# Altium PCB DL-5新款球锁 - 拼板-20201231.PcbDoc (part 8 of 9)
Units mm, origin at the board's own origin, x right, y up, seen from the top; angles counter-clockwise.
Board outline 55.99 x 50 mm, 4 copper layers (Top Layer, POWER, GND, Bottom Layer); 388 components, 70 nets, 1224 pads, 536 vias.
Unrouted connection lines stored in the file: 276.
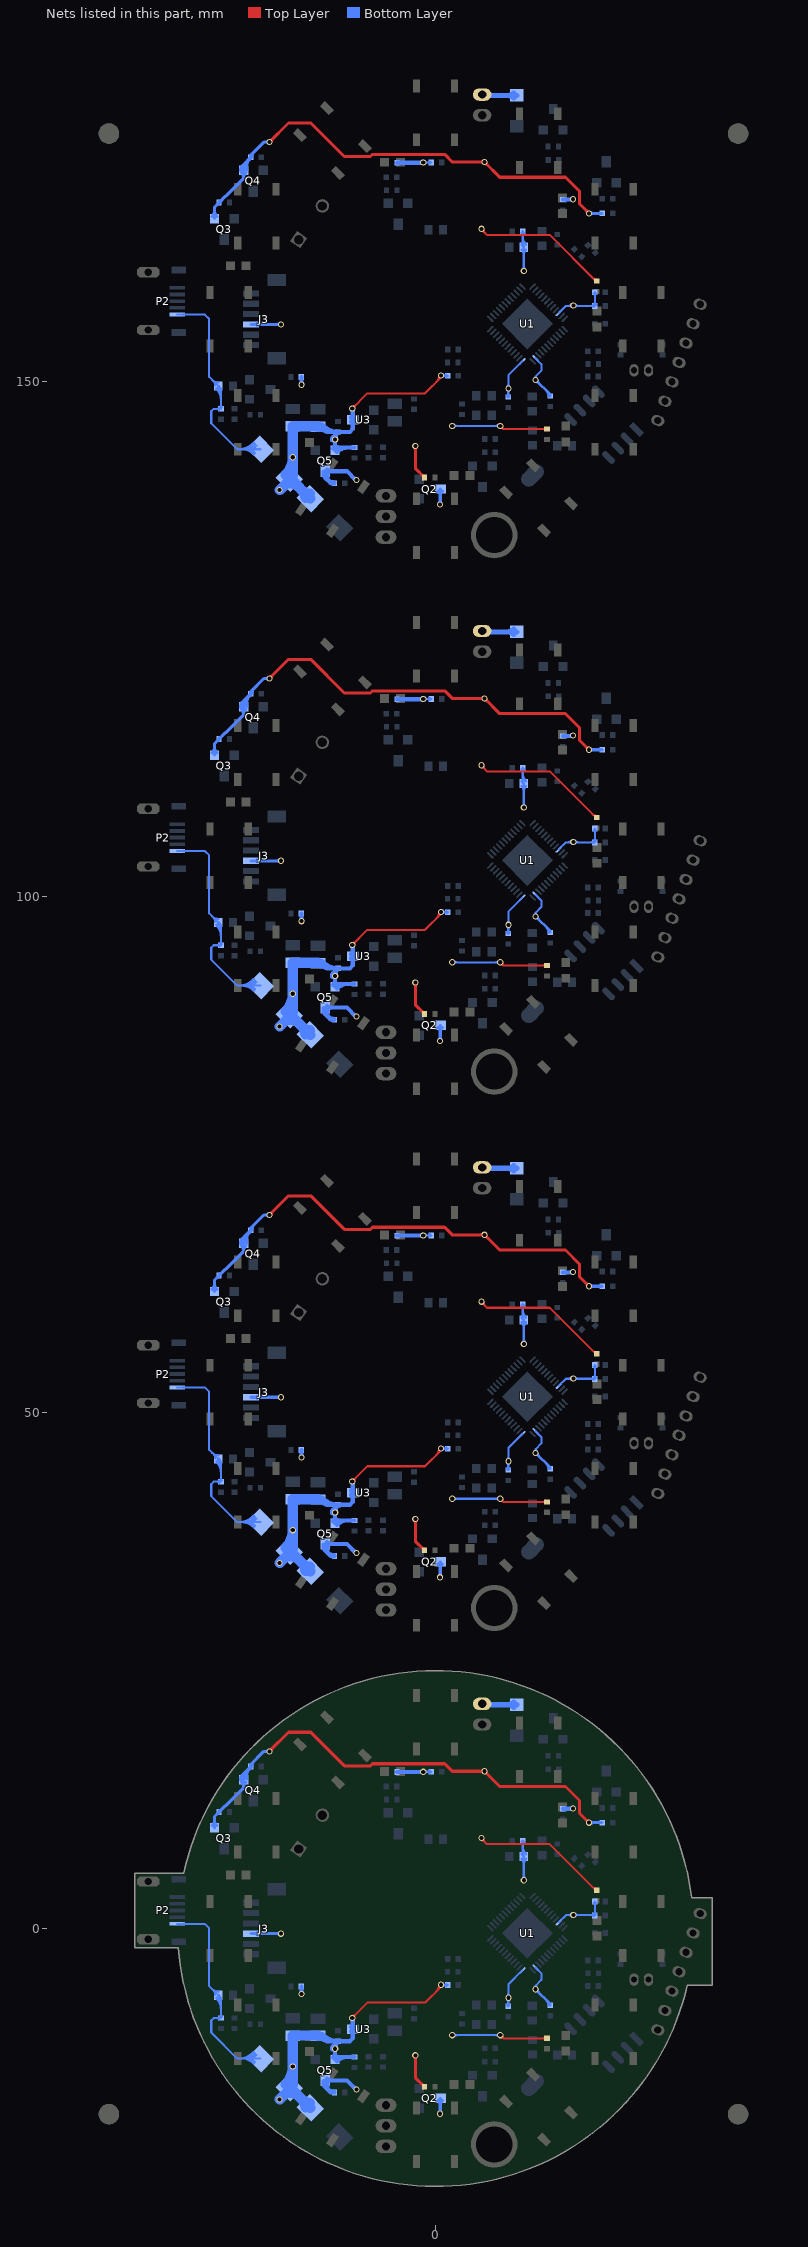
[diagram p10: the nets of this part, all layers, seen from the top]

## Via types
v1: diameter 0.6, hole 0.4, Top Layer to Bottom Layer, 440 vias
v2: diameter 0.6, hole 0.4, Top Layer to Bottom Layer, tented both sides, 48 vias
v3: diameter 0.61, hole 0.406, Top Layer to Bottom Layer, 24 vias
v4: diameter 0.61, hole 0.4, Top Layer to Bottom Layer, 16 vias
v5: diameter 0.61, hole 0.406, Top Layer to Bottom Layer, tented both sides, 8 vias

## Nets (pads, with @x,y where several pads share a name; then routed paths per layer and width w, separated by ;. In a path a pad name is that pad's centre, name@x,y a point inside that pad or via, vN(x,y) a via of type N, cw(c..) or ccw(c..) an arc to the next point about the centre after c; other vN are vias at no path point) (continued)
V6V: D3.2 J3.3 P1.2 Q5.D R12.1 R13.1 R14.1 R15.1 R16.1 R17.1 R20.1 R47.2 | length 233.4
  Top Layer w0.2: v1@4.441,8.563 cw(c4.441,8.208) 4.692,8.459 ; v1(4.441,8.763) 4.441,8.71 4.974,8.177 11.051,8.177 15.519,3.708 R13.1@15.617,3.708 ; v1@4.441,60.563 cw(c4.441,60.208) 4.692,60.459 ; v1(4.441,60.763) 4.441,60.71 4.974,60.177 11.051,60.177 15.519,55.708 R13.1@15.617,55.708 ; v1@4.441,112.563 cw(c4.441,112.208) 4.692,112.459 ; v1(4.441,112.763) 4.441,112.71 4.974,112.177 11.051,112.177 15.519,107.708 R13.1@15.617,107.708 ; v1@4.441,164.563 cw(c4.441,164.208) 4.692,164.459 ; v1(4.441,164.763) 4.441,164.71 4.974,164.177 11.051,164.177 15.519,159.708 R13.1@15.617,159.708 ; v1@4.641,8.763 ccw(c5.251,8.763) 4.819,8.331 ; v1@4.641,60.763 ccw(c5.251,60.763) 4.819,60.331 ; v1@4.641,112.763 ccw(c5.251,112.763) 4.819,112.331 ; v1@4.641,164.763 ccw(c5.251,164.763) 4.819,164.331 ; v1(6.269,-10.338) 6.574,-10.643 ; v1(6.269,41.662) 6.574,41.357 ; v1(6.269,93.662) 6.574,93.357 ; v1(6.269,145.662) 6.574,145.357 ; v1@6.286,-10.537 cw(c6.317,-10.9) 6.574,-10.643 ; v1@6.286,41.463 cw(c6.317,41.1) 6.574,41.357 ; v1@6.286,93.463 cw(c6.317,93.1) 6.574,93.357 ; v1@6.286,145.463 cw(c6.317,145.1) 6.574,145.357 ; v1@6.469,-10.354 ccw(c6.832,-10.385) 6.574,-10.643 ; v1@6.469,41.646 ccw(c6.832,41.615) 6.574,41.357 ; v1@6.469,93.646 ccw(c6.832,93.615) 6.574,93.357 ; v1@6.469,145.646 ccw(c6.832,145.615) 6.574,145.357 ; R14.1@10.656,-10.751 ccw(c10.393,-11.014) 10.393,-10.643 ccw(c10.393,-10.271) R14.1@10.656,-10.534 ; R14.1@10.656,41.249 ccw(c10.393,40.986) 10.393,41.357 ccw(c10.393,41.729) R14.1@10.656,41.466 ; R14.1@10.656,93.248 ccw(c10.393,92.986) 10.393,93.357 ccw(c10.393,93.729) R14.1@10.656,93.466 ; R14.1@10.656,145.249 ccw(c10.393,144.986) 10.393,145.357 ccw(c10.393,145.729) R14.1@10.656,145.466 ; R14.1@10.791,-10.643 6.574,-10.643 ; R14.1@10.791,41.357 6.574,41.357 ; R14.1@10.791,93.357 6.574,93.357 ; R14.1@10.791,145.357 6.574,145.357 ; 15.205,4.022 ccw(c15.591,4.408) R13.1@15.591,3.862 ; 15.205,56.022 ccw(c15.591,56.408) R13.1@15.591,55.862 ; 15.205,108.022 ccw(c15.591,108.408) R13.1@15.591,107.862 ; 15.205,160.022 ccw(c15.591,160.408) R13.1@15.591,159.862
  Top Layer w0.3: v2@-2.066,-12.4 cw(c-2.322,-12.656) -1.96,-12.656 cw(c-1.598,-12.656) v2@-1.854,-12.4 ; v2@-2.066,39.6 cw(c-2.322,39.344) -1.96,39.344 cw(c-1.598,39.344) v2@-1.854,39.6 ; v2@-2.066,91.6 cw(c-2.322,91.344) -1.96,91.344 cw(c-1.598,91.344) v2@-1.854,91.6 ; v2@-2.066,143.6 cw(c-2.322,143.344) -1.96,143.344 cw(c-1.598,143.344) v2@-1.854,143.6 ; v2(-1.96,-12.294) -1.96,-14.453 R20.1@-1.071,-15.342 ; v2(-1.96,39.706) -1.96,37.547 R20.1@-1.071,36.658 ; v2(-1.96,91.706) -1.96,89.547 R20.1@-1.071,88.658 ; v2(-1.96,143.706) -1.96,141.547 R20.1@-1.071,140.658 ; R20.1@-1.292,-15.121 ccw(c-1.071,-14.9) R20.1@-1.071,-15.212 ; R20.1@-1.292,36.879 ccw(c-1.071,37.1) R20.1@-1.071,36.788 ; R20.1@-1.292,88.879 ccw(c-1.071,89.1) R20.1@-1.071,88.788 ; R20.1@-1.292,140.879 ccw(c-1.071,141.1) R20.1@-1.071,140.788
  Bottom Layer w0.2: v1(-1.198,15.189) R47.2@-0.411,15.189 ; v1(-1.198,67.189) R47.2@-0.411,67.189 ; v1(-1.198,119.189) R47.2@-0.411,119.189 ; v1(-1.198,171.189) R47.2@-0.411,171.189 ; v1@-1.057,15.048 cw(c-0.715,14.706) -0.715,15.189 cw(c-0.715,15.672) v1@-1.057,15.331 ; v1@-1.057,67.048 cw(c-0.715,66.706) -0.715,67.189 cw(c-0.715,67.672) v1@-1.057,67.331 ; v1@-1.057,119.048 cw(c-0.715,118.706) -0.715,119.189 cw(c-0.715,119.672) v1@-1.057,119.331 ; v1@-1.057,171.048 cw(c-0.715,170.706) -0.715,171.189 cw(c-0.715,171.672) v1@-1.057,171.331 ; R47.2@-0.52,15.08 ccw(c-0.783,14.817) -0.783,15.189 ccw(c-0.783,15.561) R47.2@-0.52,15.298 ; R47.2@-0.52,67.08 ccw(c-0.783,66.817) -0.783,67.189 ccw(c-0.783,67.561) R47.2@-0.52,67.298 ; R47.2@-0.52,119.08 ccw(c-0.783,118.817) -0.783,119.189 ccw(c-0.783,119.561) R47.2@-0.52,119.298 ; R47.2@-0.52,171.08 ccw(c-0.783,170.817) -0.783,171.189 ccw(c-0.783,171.561) R47.2@-0.52,171.298 ; v1(1.621,-10.338) v1(6.269,-10.338) ; v1(1.621,41.662) v1(6.269,41.662) ; v1(1.621,93.662) v1(6.269,93.662) ; v1(1.621,145.662) v1(6.269,145.662) ; v1@1.763,-10.479 cw(c2.104,-10.821) 2.104,-10.338 cw(c2.104,-9.855) v1@1.763,-10.196 ; v1@1.763,41.521 cw(c2.104,41.179) 2.104,41.662 cw(c2.104,42.145) v1@1.763,41.804 ; v1@1.763,93.521 cw(c2.104,93.179) 2.104,93.662 cw(c2.104,94.145) v1@1.763,93.804 ; v1@1.763,145.521 cw(c2.104,145.179) 2.104,145.662 cw(c2.104,146.145) v1@1.763,145.804 ; v1@6.128,-10.479 ccw(c5.787,-10.821) 5.787,-10.338 ccw(c5.787,-9.855) v1@6.128,-10.196 ; v1@6.128,41.521 ccw(c5.787,41.179) 5.787,41.662 ccw(c5.787,42.145) v1@6.128,41.804 ; v1@6.128,93.521 ccw(c5.787,93.179) 5.787,93.662 ccw(c5.787,94.145) v1@6.128,93.804 ; v1@6.128,145.521 ccw(c5.787,145.179) 5.787,145.662 ccw(c5.787,146.145) v1@6.128,145.804
  Bottom Layer w0.3: J3.3@-17.904,-0.5 v2(-14.982,-0.5) ; J3.3@-17.904,51.5 v2(-14.982,51.5) ; J3.3@-17.904,103.5 v2(-14.982,103.5) ; J3.3@-17.904,155.5 v2(-14.982,155.5) ; J3.3@-17.323,-0.606 cw(c-17.067,-0.862) -17.067,-0.5 cw(c-17.067,-0.138) J3.3@-17.323,-0.394 ; J3.3@-17.323,51.394 cw(c-17.067,51.138) -17.067,51.5 cw(c-17.067,51.862) J3.3@-17.323,51.606 ; J3.3@-17.323,103.394 cw(c-17.067,103.138) -17.067,103.5 cw(c-17.067,103.862) J3.3@-17.323,103.606 ; J3.3@-17.323,155.394 cw(c-17.067,155.138) -17.067,155.5 cw(c-17.067,155.862) J3.3@-17.323,155.606 ; v2@-15.088,-0.606 ccw(c-15.344,-0.862) -15.344,-0.5 ccw(c-15.344,-0.138) v2@-15.088,-0.394 ; v2@-15.088,51.394 ccw(c-15.344,51.138) -15.344,51.5 ccw(c-15.344,51.862) v2@-15.088,51.606 ; v2@-15.088,103.394 ccw(c-15.344,103.138) -15.344,103.5 ccw(c-15.344,103.862) v2@-15.088,103.606 ; v2@-15.088,155.394 ccw(c-15.344,155.138) -15.344,155.5 ccw(c-15.344,155.862) v2@-15.088,155.606
  Bottom Layer w0.4: -13.009,-6.047 ccw(c-12.681,-6.047) v1@-12.913,-6.279 ; R16.1@-13.009,-5.613 -13.009,-6.325 v1(-12.984,-6.35) ; -13.009,45.953 ccw(c-12.681,45.953) v1@-12.913,45.721 ; R16.1@-13.009,46.387 -13.009,45.675 v1(-12.984,45.65) ; -13.009,97.953 ccw(c-12.681,97.953) v1@-12.913,97.721 ; R16.1@-13.009,98.387 -13.009,97.675 v1(-12.984,97.65) ; -13.009,149.953 ccw(c-12.681,149.953) v1@-12.913,149.721 ; R16.1@-13.009,150.387 -13.009,149.675 v1(-12.984,149.65) ; Q5.D@-10.86,-15.024 cw(c-11.141,-15.367) -10.698,-15.367 ; Q5.D@-10.86,36.976 cw(c-11.141,36.633) -10.698,36.633 ; Q5.D@-10.86,88.976 cw(c-11.141,88.633) -10.698,88.633 ; Q5.D@-10.86,140.976 cw(c-11.141,140.633) -10.698,140.633 ; Q5.D@-10.833,-14.779 ccw(c-10.289,-14.964) -10.695,-15.369 ; Q5.D@-10.833,37.221 ccw(c-10.289,37.036) -10.695,36.631 ; Q5.D@-10.833,89.221 ccw(c-10.289,89.036) -10.695,88.631 ; Q5.D@-10.833,141.221 ccw(c-10.289,141.036) -10.695,140.631 ; -10.551,-15.513 ccw(c-9.809,-14.771) R15.1@-9.809,-15.821 ; -10.551,36.487 ccw(c-9.809,37.229) R15.1@-9.809,36.179 ; -10.551,88.487 ccw(c-9.809,89.229) R15.1@-9.809,88.179 ; -10.551,140.487 ccw(c-9.809,141.229) R15.1@-9.809,140.179 ; Q5.D@-10.535,-15.024 ccw(c-10.255,-15.367) -10.698,-15.367 ; Q5.D@-10.535,36.976 ccw(c-10.255,36.633) -10.698,36.633 ; Q5.D@-10.535,88.976 ccw(c-10.255,88.633) -10.698,88.633 ; Q5.D@-10.535,140.976 ccw(c-10.255,140.633) -10.698,140.633 ; Q5.D@-10.516,-14.914 cw(c-10.077,-15.353) -10.077,-14.732 cw(c-10.077,-14.111) Q5.D@-10.516,-14.55 ; Q5.D@-10.516,37.086 cw(c-10.077,36.647) -10.077,37.268 cw(c-10.077,37.889) Q5.D@-10.516,37.45 ; Q5.D@-10.516,89.086 cw(c-10.077,88.647) -10.077,89.268 cw(c-10.077,89.889) Q5.D@-10.516,89.45 ; Q5.D@-10.516,141.086 cw(c-10.077,140.647) -10.077,141.268 cw(c-10.077,141.889) Q5.D@-10.516,141.45 ; Q5.D@-10.454,-14.908 ccw(c-9.61,-15.194) -10.241,-15.824 ; Q5.D@-10.454,37.092 ccw(c-9.61,36.806) -10.241,36.176 ; Q5.D@-10.454,89.092 ccw(c-9.61,88.806) -10.241,88.176 ; Q5.D@-10.454,141.092 ccw(c-9.61,140.806) -10.241,140.176 ; R15.1@-10.062,-15.824 cw(c-10.062,-16.128) R15.1@-9.847,-15.913 ; R15.1@-10.062,36.176 cw(c-10.062,35.872) R15.1@-9.847,36.087 ; R15.1@-10.062,88.176 cw(c-10.062,87.872) R15.1@-9.847,88.087 ; R15.1@-10.062,140.176 cw(c-10.062,139.872) R15.1@-9.847,140.087 ; R15.1@-9.845,-15.835 cw(c-10.037,-15.621) -10.241,-15.824 ; R15.1@-9.845,36.165 cw(c-10.037,36.379) -10.241,36.176 ; R15.1@-9.845,88.165 cw(c-10.037,88.379) -10.241,88.176 ; R15.1@-9.845,140.165 cw(c-10.037,140.379) -10.241,140.176 ; R15.1@-9.809,-15.9 -9.885,-15.824 -10.241,-15.824 ; R15.1@-9.809,36.1 -9.885,36.176 -10.241,36.176 ; R15.1@-9.809,88.1 -9.885,88.176 -10.241,88.176 ; R15.1@-9.809,140.1 -9.885,140.176 -10.241,140.176 ; -7.933,-15.389 ccw(c-7.675,-15.132) v1@-7.675,-15.496 ; -7.933,36.611 ccw(c-7.675,36.868) v1@-7.675,36.504 ; -7.933,88.611 ccw(c-7.675,88.868) v1@-7.675,88.504 ; -7.933,140.611 ccw(c-7.675,140.868) v1@-7.675,140.504 ; v1@-7.701,-15.621 -8.59,-14.732 Q5.D@-10.698,-14.732 -10.698,-15.367 ; v1@-7.701,36.379 -8.59,37.268 Q5.D@-10.698,37.268 -10.698,36.633 ; v1@-7.701,88.379 -8.59,89.268 Q5.D@-10.698,89.268 -10.698,88.633 ; v1@-7.701,140.379 -8.59,141.268 Q5.D@-10.698,141.268 -10.698,140.633 ; R17.1@-3.738,15.164 -1.224,15.164 v1(-1.198,15.189) ; R17.1@-3.738,67.164 -1.224,67.164 v1(-1.198,67.189) ; R17.1@-3.738,119.164 -1.224,119.164 v1(-1.198,119.189) ; R17.1@-3.738,171.164 -1.224,171.164 v1(-1.198,171.189) ; -1.501,15.164 ccw(c-1.501,15.492) v1@-1.269,15.26 ; -1.501,67.164 ccw(c-1.501,67.492) v1@-1.269,67.26 ; -1.501,119.164 ccw(c-1.501,119.492) v1@-1.269,119.26 ; -1.501,171.164 ccw(c-1.501,171.492) v1@-1.269,171.26 ; R12.1@12.34,11.608 13.305,11.608 v1(13.331,11.633) ; R12.1@12.34,63.608 13.305,63.608 v1(13.331,63.633) ; R12.1@12.34,115.608 13.305,115.608 v1(13.331,115.633) ; R12.1@12.34,167.608 13.305,167.608 v1(13.331,167.633) ; 13.028,11.608 ccw(c13.028,11.936) v1@13.26,11.704 ; 13.028,63.608 ccw(c13.028,63.936) v1@13.26,63.704 ; 13.028,115.608 ccw(c13.028,115.936) v1@13.26,115.704 ; 13.028,167.608 ccw(c13.028,167.936) v1@13.26,167.704 ; -10.698,-15.367 -10.241,-15.824 ; -10.698,36.633 -10.241,36.176 ; -10.698,88.633 -10.241,88.176 ; -10.698,140.633 -10.241,140.176
  Bottom Layer w0.5: P1.2@4.517,21.777 4.601,21.693 D3.2@7.87,21.693 ; P1.2@4.517,73.777 4.601,73.693 D3.2@7.87,73.693 ; P1.2@4.517,125.777 4.601,125.693 D3.2@7.87,125.693 ; P1.2@4.517,177.777 4.601,177.693 D3.2@7.87,177.693 ; P1.2@4.764,21.53 cw(c5.159,21.135) 5.159,21.693 ; P1.2@4.764,22.025 ccw(c5.565,22.825) 5.565,21.693 ; P1.2@4.764,73.53 cw(c5.159,73.135) 5.159,73.693 ; P1.2@4.764,74.025 ccw(c5.565,74.825) 5.565,73.693 ; P1.2@4.764,125.53 cw(c5.159,125.135) 5.159,125.693 ; P1.2@4.764,126.025 ccw(c5.565,126.825) 5.565,125.693 ; P1.2@4.764,177.53 cw(c5.159,177.135) 5.159,177.693 ; P1.2@4.764,178.025 ccw(c5.565,178.825) 5.565,177.693 ; D3.2@7.572,21.446 ccw(c6.975,20.848) 6.975,21.693 ccw(c6.975,22.538) D3.2@7.572,21.94 ; D3.2@7.572,73.445 ccw(c6.975,72.848) 6.975,73.693 ccw(c6.975,74.538) D3.2@7.572,73.94 ; D3.2@7.572,125.445 ccw(c6.975,124.848) 6.975,125.693 ccw(c6.975,126.538) D3.2@7.572,125.94 ; D3.2@7.572,177.446 ccw(c6.975,176.848) 6.975,177.693 ccw(c6.975,178.538) D3.2@7.572,177.94
  other v1: -7.675,-15.596 -7.675,36.404 -7.675,88.404 -7.675,140.404
VBAT: C2.1 C3.1 C6.1 D1.2 D2.2 Q5.S R2.1 R19.1 U3.3 | length 203.7
  Top Layer w0.2: v1(-8.082,-8.661) -6.608,-7.188 -1.02,-7.188 0.535,-5.633 v1(0.535,-5.456) ; v1@-8.082,-8.461 ccw(c-8.082,-7.979) -7.74,-8.32 ccw(c-7.399,-8.661) v1@-7.882,-8.661 ; v1(-8.082,43.339) -6.608,44.812 -1.02,44.812 0.535,46.367 v1(0.535,46.544) ; v1@-8.082,43.539 ccw(c-8.082,44.021) -7.74,43.68 ccw(c-7.399,43.339) v1@-7.882,43.339 ; v1(-8.082,95.339) -6.608,96.812 -1.02,96.812 0.535,98.367 v1(0.535,98.544) ; v1@-8.082,95.539 ccw(c-8.082,96.021) -7.74,95.68 ccw(c-7.399,95.339) v1@-7.882,95.339 ; v1(-8.082,147.339) -6.608,148.812 -1.02,148.812 0.535,150.367 v1(0.535,150.544) ; v1@-8.082,147.539 ccw(c-8.082,148.021) -7.74,147.68 ccw(c-7.399,147.339) v1@-7.882,147.339 ; 0.067,-6.1 ccw(c-0.578,-5.456) v1@0.335,-5.456 ; 0.067,45.9 ccw(c-0.578,46.544) v1@0.335,46.544 ; 0.067,97.9 ccw(c-0.578,98.544) v1@0.335,98.544 ; 0.067,149.9 ccw(c-0.578,150.544) v1@0.335,150.544 ; 0.409,-5.759 ccw(c0.105,-5.456) v1(0.535,-5.456) ; 0.409,46.241 ccw(c0.105,46.544) v1(0.535,46.544) ; 0.409,98.241 ccw(c0.105,98.544) v1(0.535,98.544) ; 0.409,150.241 ccw(c0.105,150.544) v1(0.535,150.544) ; v1@0.553,-5.456 v1(0.535,-5.456) ; v1@0.553,46.544 v1(0.535,46.544) ; v1@0.553,98.544 v1(0.535,98.544) ; v1@0.553,150.544 v1(0.535,150.544)
  Bottom Layer w0.2: v1@0.553,-5.456 0.529,-5.479 0.529,-5.486 R19.1@1.19,-5.486 ; v1@0.553,46.544 0.529,46.521 0.529,46.514 R19.1@1.19,46.514 ; v1@0.553,98.544 0.529,98.521 0.529,98.514 R19.1@1.19,98.514 ; v1@0.553,150.544 0.529,150.521 0.529,150.514 R19.1@1.19,150.514 ; v1@0.676,-5.597 cw(c0.943,-5.864) R19.1@0.943,-5.486 ; v1@0.676,-5.314 ccw(c1.092,-4.898) R19.1@1.092,-5.486 ; v1@0.676,46.403 cw(c0.943,46.136) R19.1@0.943,46.514 ; v1@0.676,46.686 ccw(c1.092,47.102) R19.1@1.092,46.514 ; v1@0.676,98.403 cw(c0.943,98.136) R19.1@0.943,98.514 ; v1@0.676,98.686 ccw(c1.092,99.102) R19.1@1.092,98.514 ; v1@0.676,150.403 cw(c0.943,150.136) R19.1@0.943,150.514 ; v1@0.676,150.686 ccw(c1.092,151.102) R19.1@1.092,150.514 ; v1@0.683,-5.59 cw(c0.867,-5.756) 0.931,-5.517 ; v1@0.683,46.41 cw(c0.867,46.244) 0.931,46.483 ; v1@0.683,98.41 cw(c0.867,98.244) 0.931,98.483 ; v1@0.683,150.41 cw(c0.867,150.244) 0.931,150.483 ; v1@0.708,-5.356 ccw(c0.997,-5.188) 0.911,-5.511 ; v1@0.708,46.644 ccw(c0.997,46.812) 0.911,46.489 ; v1@0.708,98.644 ccw(c0.997,98.812) 0.911,98.489 ; v1@0.708,150.644 ccw(c0.997,150.812) 0.911,150.489 ; R19.1@1.081,-5.595 ccw(c0.818,-5.858) 0.818,-5.486 ccw(c0.818,-5.115) R19.1@1.081,-5.378 ; R19.1@1.081,46.405 ccw(c0.818,46.142) 0.818,46.514 ccw(c0.818,46.885) R19.1@1.081,46.622 ; R19.1@1.081,98.405 ccw(c0.818,98.142) 0.818,98.514 ccw(c0.818,98.885) R19.1@1.081,98.622 ; R19.1@1.081,150.405 ccw(c0.818,150.142) 0.818,150.514 ccw(c0.818,150.885) R19.1@1.081,150.622
  Bottom Layer w0.4: C2.1@-11.398,-10.412 -11.055,-10.412 -10.545,-10.922 ; C2.1@-11.398,41.588 -11.055,41.588 -10.545,41.078 ; C2.1@-11.398,93.588 -11.055,93.588 -10.545,93.078 ; C2.1@-11.398,145.588 -11.055,145.588 -10.545,145.078 ; C2.1@-11.265,-10.471 ccw(c-10.305,-9.674) -10.305,-10.922 ; C2.1@-11.265,41.529 ccw(c-10.305,42.326) -10.305,41.078 ; C2.1@-11.265,93.529 ccw(c-10.305,94.326) -10.305,93.078 ; C2.1@-11.265,145.529 ccw(c-10.305,146.326) -10.305,145.078 ; C2.1@-11.153,-10.718 cw(c-11.055,-11.431) -10.545,-10.922 ; C2.1@-11.153,41.282 cw(c-11.055,40.569) -10.545,41.078 ; C2.1@-11.153,93.282 cw(c-11.055,92.569) -10.545,93.078 ; C2.1@-11.153,145.282 cw(c-11.055,144.569) -10.545,145.078 ; C2.1@-10.957,-10.216 ccw(c-9.453,-8.967) C3.1@-9.453,-10.922 ; C2.1@-10.957,41.784 ccw(c-9.453,43.033) C3.1@-9.453,41.078 ; C2.1@-10.957,93.784 ccw(c-9.453,95.033) C3.1@-9.453,93.078 ; C2.1@-10.957,145.784 ccw(c-9.453,147.033) C3.1@-9.453,145.078 ; C2.1@-10.886,-10.412 ccw(c-10.48,-10.412) C2.1@-10.767,-10.7 ; C2.1@-10.886,41.588 ccw(c-10.48,41.588) C2.1@-10.767,41.3 ; C2.1@-10.886,93.588 ccw(c-10.48,93.588) C2.1@-10.767,93.3 ; C2.1@-10.886,145.588 ccw(c-10.48,145.588) C2.1@-10.767,145.3 ; -10.021,-11.741 cw(c-9.689,-11.646) -9.933,-11.402 ; -10.021,40.259 cw(c-9.689,40.354) -9.933,40.598 ; -10.021,92.259 cw(c-9.689,92.354) -9.933,92.598 ; -10.021,144.259 cw(c-9.689,144.354) -9.933,144.598 ; Q5.S@-9.93,-12.518 ccw(c-10.369,-12.079) -9.748,-12.079 ccw(c-9.127,-12.079) Q5.S@-9.566,-12.518 ; Q5.S@-9.93,39.482 ccw(c-10.369,39.921) -9.748,39.921 ccw(c-9.127,39.921) Q5.S@-9.566,39.482 ; Q5.S@-9.93,91.482 ccw(c-10.369,91.921) -9.748,91.921 ccw(c-9.127,91.921) Q5.S@-9.566,91.482 ; Q5.S@-9.93,143.482 ccw(c-10.369,143.921) -9.748,143.921 ccw(c-9.127,143.921) Q5.S@-9.566,143.482 ; v1@-9.748,-11.702 cw(c-8.698,-11.702) C3.1@-9.44,-10.96 ; -9.748,-11.321 cw(c-9.394,-11.321) C3.1@-9.467,-10.975 ; v1@-9.748,40.298 cw(c-8.698,40.298) C3.1@-9.44,41.04 ; -9.748,40.679 cw(c-9.394,40.679) C3.1@-9.467,41.025 ; v1@-9.748,92.298 cw(c-8.698,92.298) C3.1@-9.44,93.04 ; -9.748,92.679 cw(c-9.394,92.679) C3.1@-9.467,93.025 ; v1@-9.748,144.298 cw(c-8.698,144.298) C3.1@-9.44,145.04 ; -9.748,144.679 cw(c-9.394,144.679) C3.1@-9.467,145.025 ; v1@-9.636,-11.631 cw(c-8.943,-11.432) C3.1@-9.453,-10.922 ; v1@-9.636,40.369 cw(c-8.943,40.568) C3.1@-9.453,41.078 ; v1@-9.636,92.369 cw(c-8.943,92.568) C3.1@-9.453,93.078 ; v1@-9.636,144.369 cw(c-8.943,144.568) C3.1@-9.453,145.078 ; Q5.S@-9.566,-12.882 cw(c-8.514,-13.934) -8.514,-12.446 ; Q5.S@-9.566,39.118 cw(c-8.514,38.066) -8.514,39.554 ; Q5.S@-9.566,91.118 cw(c-8.514,90.066) -8.514,91.554 ; Q5.S@-9.566,143.118 cw(c-8.514,142.066) -8.514,143.554 ; U3.3@-8.213,-9.935 cw(c-8.652,-10.375) -8.031,-10.375 cw(c-7.41,-10.375) U3.3@-7.849,-9.935 ; U3.3@-8.213,-9.572 ccw(c-8.652,-9.133) -8.031,-9.133 ccw(c-7.41,-9.133) U3.3@-7.849,-9.572 ; U3.3@-8.213,42.065 cw(c-8.652,41.625) -8.031,41.625 cw(c-7.41,41.625) U3.3@-7.849,42.065 ; U3.3@-8.213,42.428 ccw(c-8.652,42.867) -8.031,42.867 ccw(c-7.41,42.867) U3.3@-7.849,42.428 ; U3.3@-8.213,94.065 cw(c-8.652,93.625) -8.031,93.625 cw(c-7.41,93.625) U3.3@-7.849,94.065 ; U3.3@-8.213,94.428 ccw(c-8.652,94.867) -8.031,94.867 ccw(c-7.41,94.867) U3.3@-7.849,94.428 ; U3.3@-8.213,146.065 cw(c-8.652,145.625) -8.031,145.625 cw(c-7.41,145.625) U3.3@-7.849,146.065 ; U3.3@-8.213,146.428 ccw(c-8.652,146.867) -8.031,146.867 ccw(c-7.41,146.867) U3.3@-7.849,146.428 ; v1@-8.152,-8.732 cw(c-8.446,-9.025) -8.031,-9.025 ; v1@-8.152,43.268 cw(c-8.446,42.975) -8.031,42.975 ; v1@-8.152,95.268 cw(c-8.446,94.975) -8.031,94.975 ; v1@-8.152,147.268 cw(c-8.446,146.975) -8.031,146.975 ; v1(-8.082,-8.661) -8.031,-8.712 U3.3@-8.031,-9.754 -8.031,-10.643 -8.31,-10.922 C3.1@-9.453,-10.922 ; v1(-8.082,43.339) -8.031,43.288 U3.3@-8.031,42.246 -8.031,41.357 -8.31,41.078 C3.1@-9.453,41.078 ; v1(-8.082,95.339) -8.031,95.288 U3.3@-8.031,94.246 -8.031,93.357 -8.31,93.078 C3.1@-9.453,93.078 ; v1(-8.082,147.339) -8.031,147.288 U3.3@-8.031,146.246 -8.031,145.357 -8.31,145.078 C3.1@-9.453,145.078 ; R2.1@-7.853,-12.446 -9.494,-12.446 Q5.S@-9.748,-12.7 -9.748,-11.217 C3.1@-9.453,-10.922 ; R2.1@-7.853,39.554 -9.494,39.554 Q5.S@-9.748,39.3 -9.748,40.783 C3.1@-9.453,41.078 ; R2.1@-7.853,91.554 -9.494,91.554 Q5.S@-9.748,91.3 -9.748,92.783 C3.1@-9.453,93.078 ; R2.1@-7.853,143.554 -9.494,143.554 Q5.S@-9.748,143.3 -9.748,144.783 C3.1@-9.453,145.078 ; -10.545,-10.922 C3.1@-9.453,-10.922 ; -10.545,41.078 C3.1@-9.453,41.078 ; -10.545,93.078 C3.1@-9.453,93.078 ; -10.545,145.078 C3.1@-9.453,145.078
  Bottom Layer w1: v1(-15.117,-16.561) -14.16,-15.604 D2.2@-14.16,-15.435 ; v1(-15.117,35.439) -14.16,36.396 D2.2@-14.16,36.565 ; v1(-15.117,87.439) -14.16,88.396 D2.2@-14.16,88.565 ; v1(-15.117,139.439) -14.16,140.396 D2.2@-14.16,140.565 ; D2.2@-14.514,-15.081 ccw(c-16.12,-13.475) v1@-13.848,-13.475 ; D2.2@-14.514,36.919 ccw(c-16.12,38.525) v1@-13.848,38.525 ; D2.2@-14.514,88.919 ccw(c-16.12,90.525) v1@-13.848,90.525 ; D2.2@-14.514,140.919 ccw(c-16.12,142.525) v1@-13.848,142.525 ; D2.2@-14.09,-15.906 cw(c-14.09,-17.055) -13.277,-16.242 ; D2.2@-14.09,36.094 cw(c-14.09,34.945) -13.277,35.758 ; D2.2@-14.09,88.094 cw(c-14.09,86.945) -13.277,87.758 ; D2.2@-14.09,140.094 cw(c-14.09,138.945) -13.277,139.758 ; D1.2@-12.608,-17.311 ccw(c-13.574,-17.311) -12.891,-16.628 ccw(c-12.208,-15.945) D1.2@-12.208,-16.911 ; D1.2@-12.608,34.689 ccw(c-13.574,34.689) -12.891,35.372 ccw(c-12.208,36.055) D1.2@-12.208,35.089 ; D1.2@-12.608,86.689 ccw(c-13.574,86.689) -12.891,87.372 ccw(c-12.208,88.055) D1.2@-12.208,87.089 ; D1.2@-12.608,138.689 ccw(c-13.574,138.689) -12.891,139.372 ccw(c-12.208,140.055) D1.2@-12.208,139.089 ; D1.2@-12.137,-17.382 -14.084,-15.435 D2.2@-14.16,-15.435 ; D1.2@-12.137,34.618 -14.084,36.565 D2.2@-14.16,36.565 ; D1.2@-12.137,86.618 -14.084,88.565 D2.2@-14.16,88.565 ; D1.2@-12.137,138.618 -14.084,140.565 D2.2@-14.16,140.565 ; C2.1@-11.398,-10.412 -11.431,-10.379 C6.1@-13.848,-10.379 v1(-13.848,-13.386) -13.848,-15.123 D2.2@-14.16,-15.435 ; C2.1@-11.398,41.588 -11.431,41.621 C6.1@-13.848,41.621 v1(-13.848,38.614) -13.848,36.877 D2.2@-14.16,36.565 ; C2.1@-11.398,93.588 -11.431,93.621 C6.1@-13.848,93.621 v1(-13.848,90.614) -13.848,88.877 D2.2@-14.16,88.565 ; C2.1@-11.398,145.588 -11.431,145.621 C6.1@-13.848,145.621 v1(-13.848,142.614) -13.848,140.877 D2.2@-14.16,140.565
  other v1: -9.733,-11.659 -9.733,40.341 -9.733,92.341 -9.733,144.341
VBUS: C20.1 D2.1 P2.1 RW1.1 | length 127.8
  Bottom Layer w0.2: P2.1@-25.046,0.45 -22.374,0.45 -21.95,0.025 -21.95,-5.588 C20.1@-21.061,-6.477 -20.807,-6.731 RW1.1@-20.807,-8.687 -21.518,-8.687 -21.747,-8.915 -21.747,-10.084 -19.224,-12.607 D2.1@-16.989,-12.607 ; P2.1@-25.046,52.45 -22.374,52.45 -21.95,52.025 -21.95,46.412 C20.1@-21.061,45.523 -20.807,45.269 RW1.1@-20.807,43.313 -21.518,43.313 -21.747,43.085 -21.747,41.916 -19.224,39.393 D2.1@-16.989,39.393 ; P2.1@-25.046,104.45 -22.374,104.45 -21.95,104.025 -21.95,98.412 C20.1@-21.061,97.523 -20.807,97.269 RW1.1@-20.807,95.313 -21.518,95.313 -21.747,95.085 -21.747,93.916 -19.224,91.393 D2.1@-16.989,91.393 ; P2.1@-25.046,156.45 -22.374,156.45 -21.95,156.025 -21.95,150.412 C20.1@-21.061,149.523 -20.807,149.269 RW1.1@-20.807,147.313 -21.518,147.313 -21.747,147.085 -21.747,145.916 -19.224,143.393 D2.1@-16.989,143.393 ; P2.1@-24.419,0.393 cw(c-24.283,0.257) -24.283,0.45 cw(c-24.283,0.643) P2.1@-24.419,0.507 ; P2.1@-24.419,52.393 cw(c-24.283,52.257) -24.283,52.45 cw(c-24.283,52.643) P2.1@-24.419,52.507 ; P2.1@-24.419,104.393 cw(c-24.283,104.257) -24.283,104.45 cw(c-24.283,104.643) P2.1@-24.419,104.507 ; P2.1@-24.419,156.393 cw(c-24.283,156.257) -24.283,156.45 cw(c-24.283,156.643) P2.1@-24.419,156.507 ; -21.658,-5.88 ccw(c-21.061,-5.282) C20.1@-21.061,-6.127 ; -21.658,46.12 ccw(c-21.061,46.718) C20.1@-21.061,45.873 ; -21.658,98.12 ccw(c-21.061,98.718) C20.1@-21.061,97.873 ; -21.658,150.12 ccw(c-21.061,150.718) C20.1@-21.061,149.873 ; -21.538,-6 cw(c-21.964,-6.427) C20.1@-21.361,-6.427 ; -21.538,46 cw(c-21.964,45.573) C20.1@-21.361,45.573 ; -21.538,98 cw(c-21.964,97.573) C20.1@-21.361,97.573 ; -21.538,150 cw(c-21.964,149.573) C20.1@-21.361,149.573 ; C20.1@-21.273,-6.739 cw(c-22.398,-7.864) -20.807,-7.864 ; C20.1@-21.273,45.261 cw(c-22.398,44.136) -20.807,44.136 ; C20.1@-21.273,97.261 cw(c-22.398,96.136) -20.807,96.136 ; C20.1@-21.273,149.261 cw(c-22.398,148.136) -20.807,148.136 ; C20.1@-21.132,-6.598 cw(c-21.916,-7.382) -20.807,-7.382 ; C20.1@-21.132,45.402 cw(c-21.916,44.618) -20.807,44.618 ; C20.1@-21.132,97.402 cw(c-21.916,96.618) -20.807,96.618 ; C20.1@-21.132,149.402 cw(c-21.916,148.618) -20.807,148.618 ; C20.1@-20.99,-6.456 cw(c-21.433,-6.899) C20.1@-20.807,-6.899 ; C20.1@-20.99,45.544 cw(c-21.433,45.101) C20.1@-20.807,45.101 ; C20.1@-20.99,97.544 cw(c-21.433,97.101) C20.1@-20.807,97.101 ; C20.1@-20.99,149.544 cw(c-21.433,149.101) C20.1@-20.807,149.101 ; RW1.1@-20.941,-8.796 ccw(c-21.204,-9.059) -21.204,-8.687 ccw(c-21.204,-8.315) RW1.1@-20.941,-8.578 ; RW1.1@-20.941,43.204 ccw(c-21.204,42.941) -21.204,43.313 ccw(c-21.204,43.685) RW1.1@-20.941,43.422 ; RW1.1@-20.941,95.204 ccw(c-21.204,94.941) -21.204,95.313 ccw(c-21.204,95.685) RW1.1@-20.941,95.422 ; RW1.1@-20.941,147.204 ccw(c-21.204,146.941) -21.204,147.313 ccw(c-21.204,147.685) RW1.1@-20.941,147.422 ; RW1.1@-20.916,-8.578 ccw(c-21.179,-8.315) -20.807,-8.315 ccw(c-20.435,-8.315) RW1.1@-20.698,-8.578 ; RW1.1@-20.916,43.422 ccw(c-21.179,43.685) -20.807,43.685 ccw(c-20.435,43.685) RW1.1@-20.698,43.422 ; RW1.1@-20.916,95.422 ccw(c-21.179,95.685) -20.807,95.685 ccw(c-20.435,95.685) RW1.1@-20.698,95.422 ; RW1.1@-20.916,147.422 ccw(c-21.179,147.685) -20.807,147.685 ccw(c-20.435,147.685) RW1.1@-20.698,147.422 ; -19.162,-12.607 ccw(c-19.162,-10.434) D2.1@-17.625,-11.97 ; -19.162,39.393 ccw(c-19.162,41.566) D2.1@-17.625,40.03 ; -19.162,91.393 ccw(c-19.162,93.566) D2.1@-17.625,92.03 ; -19.162,143.393 ccw(c-19.162,145.566) D2.1@-17.625,144.03 ; -18.82,-12.607 cw(c-18.82,-14.297) D2.1@-17.625,-13.102 ; -18.82,39.393 cw(c-18.82,37.703) D2.1@-17.625,38.898 ; -18.82,91.393 cw(c-18.82,89.703) D2.1@-17.625,90.898 ; -18.82,143.393 cw(c-18.82,141.703) D2.1@-17.625,142.898 ; -18.679,-12.607 ccw(c-18.679,-10.917) D2.1@-17.484,-12.112 ; -18.679,39.393 ccw(c-18.679,41.083) D2.1@-17.484,39.888 ; -18.679,91.393 ccw(c-18.679,93.083) D2.1@-17.484,91.888 ; -18.679,143.393 ccw(c-18.679,145.083) D2.1@-17.484,143.888 ; -18.337,-12.607 cw(c-18.337,-13.814) D2.1@-17.484,-12.96 ; -18.337,39.393 cw(c-18.337,38.186) D2.1@-17.484,39.04 ; -18.337,91.393 cw(c-18.337,90.186) D2.1@-17.484,91.04 ; -18.337,143.393 cw(c-18.337,142.186) D2.1@-17.484,143.04 ; D2.1@-18.196,-12.607 ccw(c-18.196,-11.399) D2.1@-17.342,-12.253 ; D2.1@-18.196,39.393 ccw(c-18.196,40.601) D2.1@-17.342,39.747 ; D2.1@-18.196,91.393 ccw(c-18.196,92.601) D2.1@-17.342,91.747 ; D2.1@-18.196,143.393 ccw(c-18.196,144.601) D2.1@-17.342,143.747